# Allegro board RK_NVR_DEMO_RK3568_DDR4P216SD4_V12_20201221YWQ_final.brd (continued)
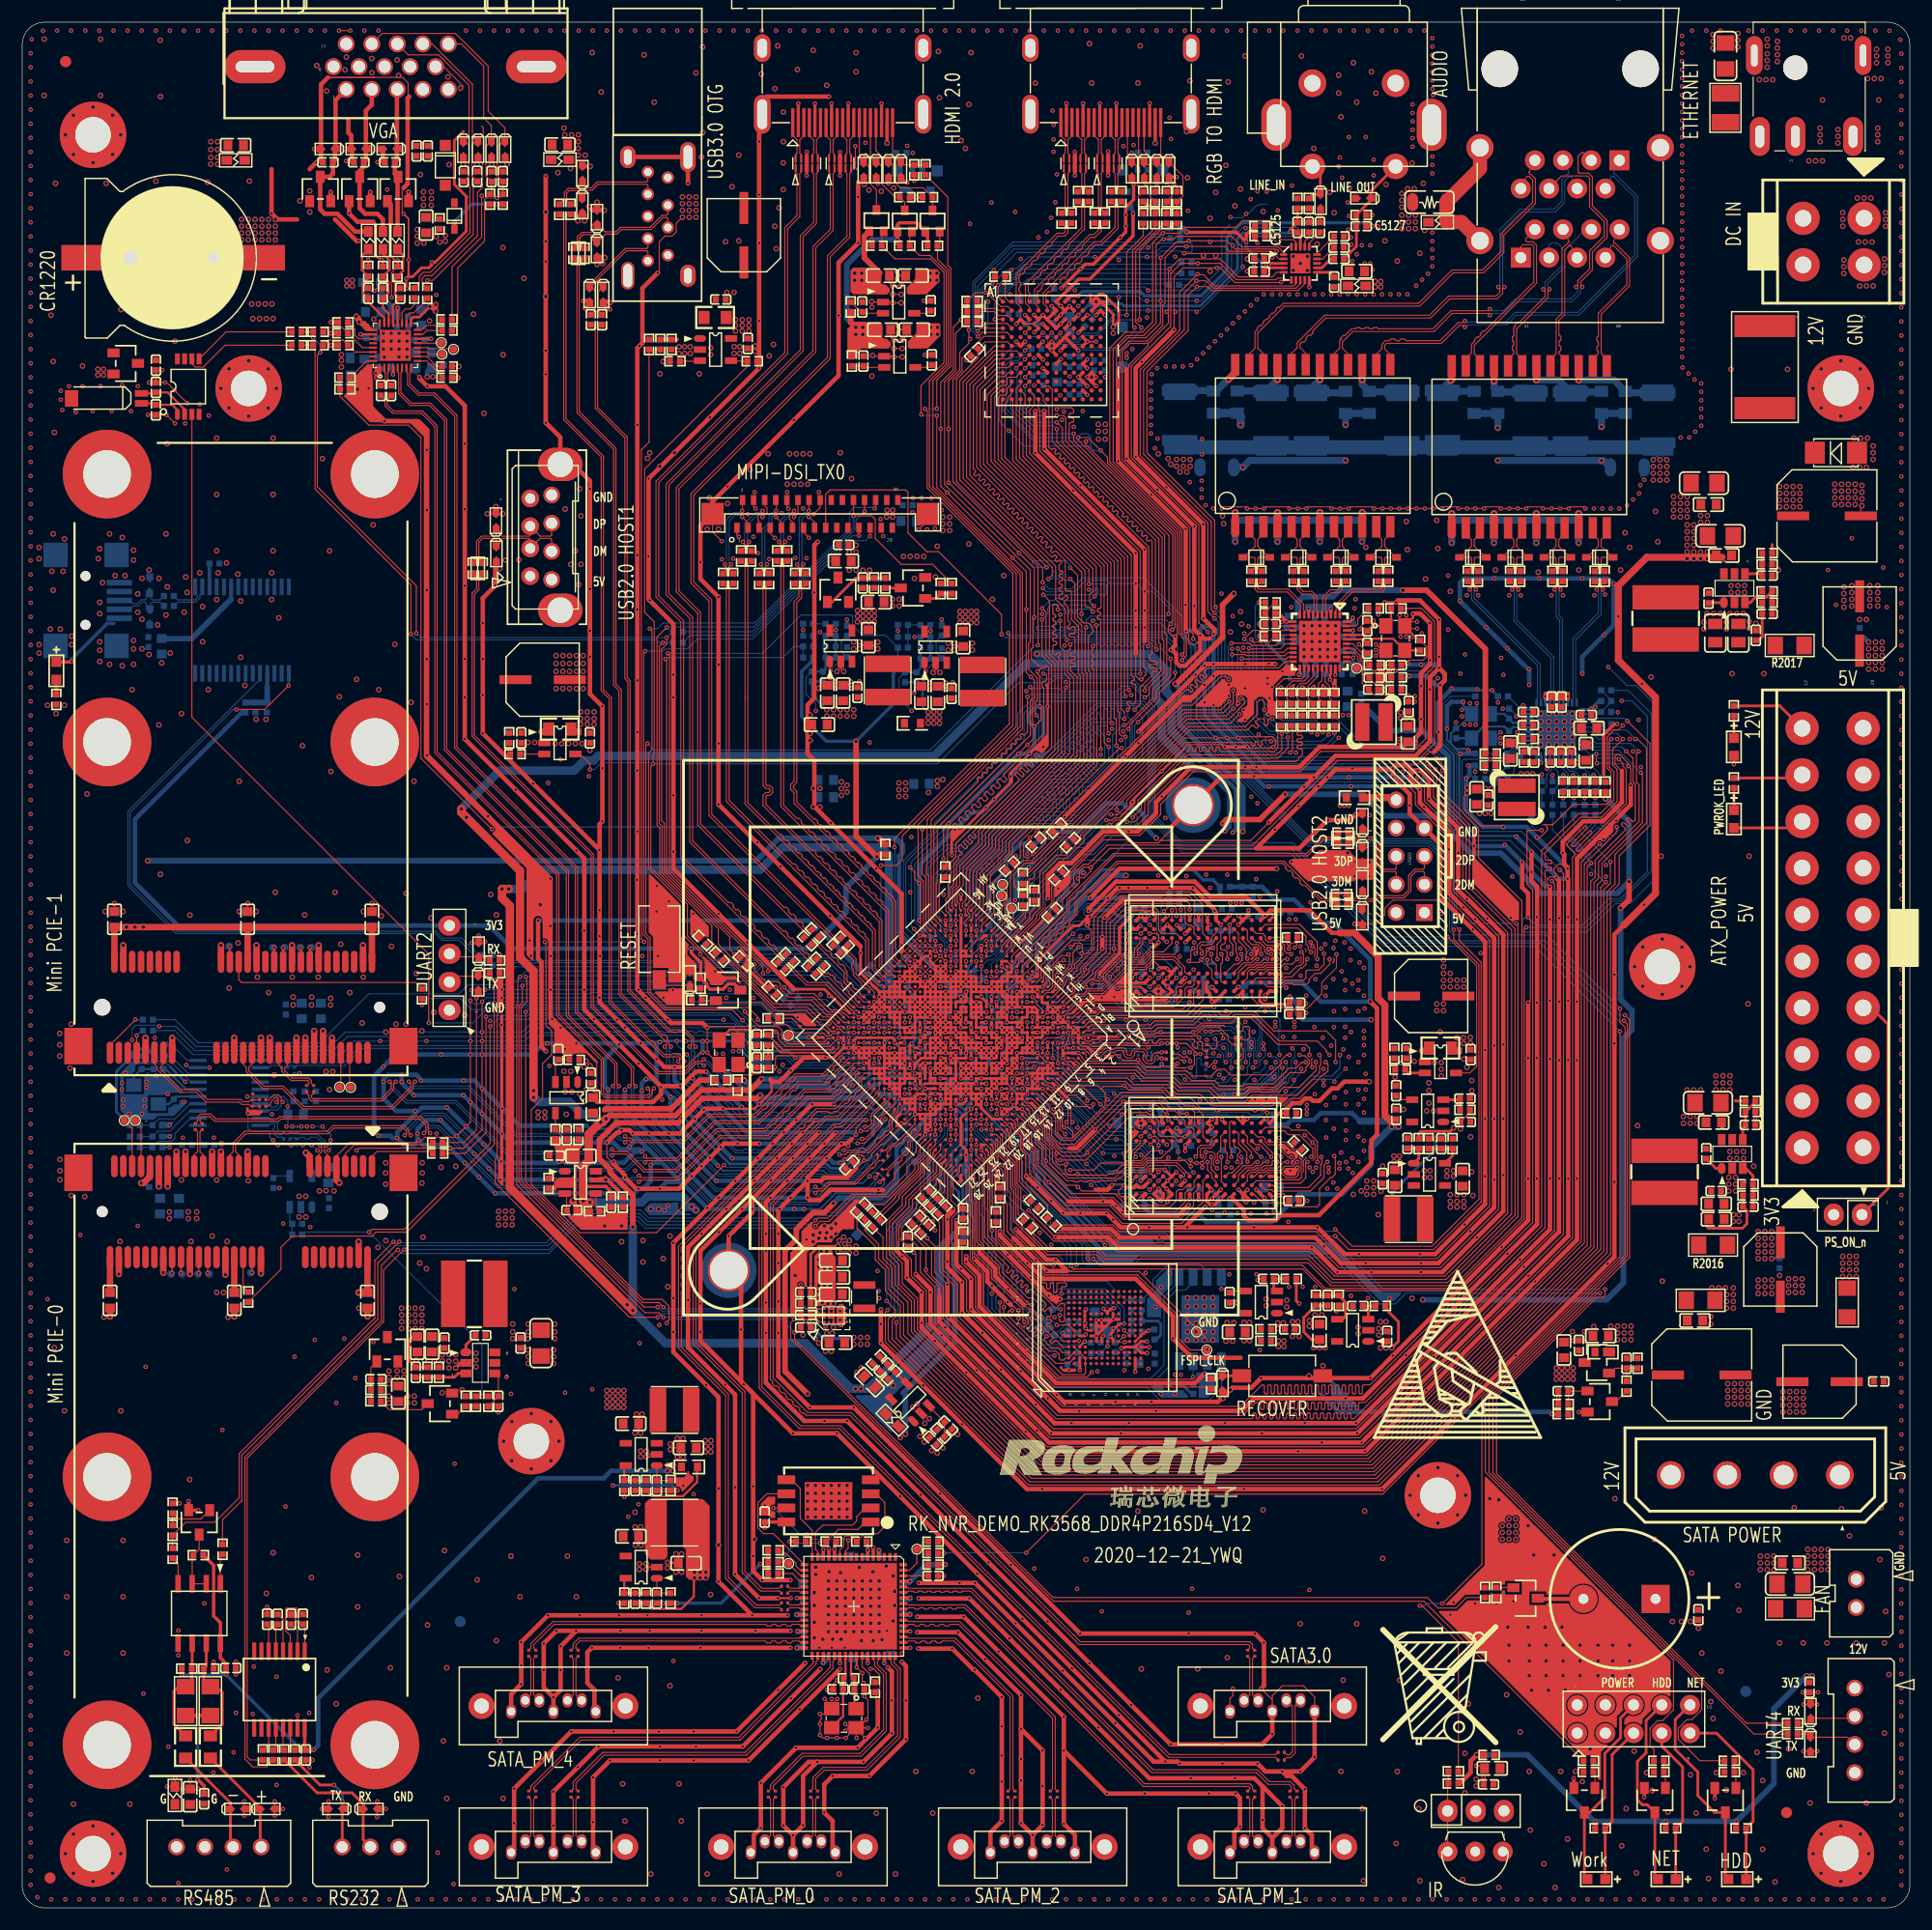
[diagram p0: board, top side]
## Routing (per net, layer and track width the routed paths; a pad name or vN(x,y) marks a point on that pad's centre or on a via; arc(x,y) is an arc through that point) (continued)
  TOP w0.102: v1(72.37,76.64) 72.2,76.81 68.02,76.81 67.87,76.66 67.87,75.84 v1(67.82,75.79) 67.82,75.51 67.61,75.31 66.62,75.31 66.5,75.18 v1(65.68,75.18) 65.58,75.08 63.45,75.08 62.8,75.73 Y1200.4 v1(61.72,77.09) v1(61.72,78.13) v1(61.72,79.35) 61.82,79.45 65.99,79.45 66.29,79.15 67.82,79.15 67.92,79.04 v1(67.92,78.94) 68.02,78.94 68.12,78.84 68.12,78.33 68.8,77.66 72.77,77.66 v1(73.55,78.44) ; U3301.E8 103.66,69.86 103.82,69.86 104.15,69.54 v1(104.79,69.54) ; v1(104.84,90.85) 104.84,90.82 105.18,90.48 v1(105.18,89.99) ; v1(107.34,114.81) 106.93,114.4 ; v1(22.75,8.31) 22.75,8.92 ; 22.75,8.92 v1(23.49,8.92) ; 22.75,8.92 v1(22.75,9.6) ; v2(79.3,140.56) v2(78.54,140.56) ; v2(78.54,140.56) v2(78.54,139.8) ; v2(78.54,140.56) v2(78.54,141.33) ; v1(74.17,15.95) 74.46,16.24 74.51,16.24 ; 91.94,73.84 92.64,73.13 v1(92.74,73.13) ; 86.68,68.78 86.87,68.78 87.27,68.38 87.27,68.02 87.27,67.87 87.63,67.52 87.63,66.65 v1(87.93,66.34) 87.63,66.04 87.63,63.6 88.16,63.07 88.16,61.18 88.08,61.11 88.08,60.96 v1(88.09,60.96) ; v1(61.32,77.11) 61.11,77.11 59.79,75.79 59.28,75.79 ; v1(25.91,12.65) 25.56,12.99 C9505.2 v1(26.16,13.33) ; 94.39,68.47 93.58,68.47 92.55,69.5 92.55,70.75 v1(92.39,70.91) ; v2(58.14,30.63) 58.57,31.06 58.7,31.06 ; v1(11.33,134.58) C2200.2 v1(12.99,134.58) v1(13.77,133.81) ; Y6800.2 122.52,113.35 ; 122.52,113.35 122.44,113.35 ; 122.52,113.35 v1(121.97,113.89) ; v1(98.19,65.14) 98.29,65.24 99.18,65.24 v1(99.28,65.14) 98.78,64.64 98.78,64.34 99.01,64.11 99.21,64.11 99.31,64.01 v1(99.42,64.01) 99.41,64.01 99.41,63.7 99.79,63.33 101.84,63.33 102.02,63.51 102.2,63.33 102.92,63.33 103.19,63.61 v1(103.19,63.64) ; D2507.2 v2(42.68,126.31) ; D2507.2 v2(41.91,125.67) ; D2507.2 v2(43.31,125.67) ; v1(41.44,81.69) v1(41.44,78.94) v1(41.44,78.13) v1(41.44,76.91) v1(41.44,73.86) v1(41.44,71.58) 41.44,70.14 39.78,68.48 v1(38.56,68.48) 30.33,68.48 v1(30.12,68.28) ; v1(105.29,66.84) 104.77,67.36 103.01,67.36 ; 58.82,41.47 58.49,41.81 v2(58.39,41.81) ; 58.82,41.47 58.57,41.47 v2(58.39,41.3) ; 58.82,41.47 59.25,41.47 ; 98.19,76.74 98.34,76.88 98.7,76.88 v1(98.81,76.77) 99.18,76.4 100.43,76.4 100.48,76.45 v1(100.53,76.45) 100.58,76.45 101.24,75.79 102.56,75.79 102.67,75.9 102.67,75.93 ; 72.94,18.19 72.94,18.32 ; 72.94,18.19 Y8300.2 72.47,17.48 v1(71.88,17.48) 72.01,17.35 72.01,17.01 71.88,16.89 v1(71.88,16.59) v1(71.88,15.57) 72.14,15.32 v1(72.52,15.32) v1(73.41,15.32) v1(74.21,15.32) Y8300.4 ; 72.94,18.19 v1(72.31,18.83) ; 72.94,18.32 v1(72.94,18.83) ; 72.94,18.32 v1(73.45,18.83) ; 105.3,67.38 v1(105.27,67.41) ; 95.2,92.86 95.25,92.91 95.25,93.41 95.64,93.8 96.27,93.8 v1(96.28,93.79) ; 95.2,92.86 95.7,92.86 96.28,93.44 v1(96.28,93.79) ; 95.2,92.86 v1(95.12,92.79) 95.25,92.66 95.25,92.41 93.73,90.88 93.73,89.88 90.64,86.79 ; 125.22,114.9 124.81,115.32 ; 125.22,114.9 125.88,114.25 R6804.2 126.54,113.67 126.54,112.78 126.24,112.47 124.94,112.47 124.84,112.37 v1(124.84,112.22) 124.66,112.22 124.42,111.97 124.26,111.97 ; 125.22,114.9 v1(125.22,114.58) ; 124.81,115.32 124.71,115.41 ; 124.81,115.32 v1(125.68,115.32) ; v1(103.78,142.25) 103.78,147.02 104.6,147.83 v1(107.65,147.83) 107.73,147.91 107.87,147.91 109.27,146.51 113.39,146.51 v1(113.44,146.56) ; U1000.A1 96.85,78.29 96.4,78.29 96.22,78.11 95.93,78.11 95.61,78.44 ; v1(104.86,115.07) 105.11,114.82 105.11,114.1 105.31,113.89 105.71,113.89 106.12,114.3 106.12,114.69 v1(106.14,114.71) ; 99.18,85.93 99.1,85.85 ; 99.1,85.85 99.6,85.85 99.8,85.66 100.8,85.66 101.78,86.64 102,86.64 ; 99.1,85.85 97.44,84.18 97.44,83.66 97.33,83.55 96.66,83.55 96.56,83.65 96.33,83.65 ; J5200.13 70.4,123.98 v1(70.88,123.5) ; v1(74.83,74.15) 74.79,74.15 73.1,72.47 v1(73.1,72.44) ; v1(27.58,8.19) 27.58,8.9 ED9503.2 ; v2(59.49,152.4) 58.93,151.84 58.93,151.08 58.55,150.7 57.91,150.7 57.4,150.19 57.4,147.52 v1(57.28,147.4) ; J5200.4 65.9,126.32 v1(66.09,126.13) ; 59.25,40.93 59.25,41.47 ; 59.25,40.93 59.25,40.86 v2(59.03,40.64) ; 59.25,40.93 v2(59.54,40.64) ; 59.25,41.47 59.25,42.02 ; v1(91.19,106.48) 91.19,105.46 v1(90.58,104.85) v1(89.76,104.04) v1(83.46,97.74) 83.01,97.29 v1(83.01,94.59) ; v1(91.19,106.48) 91.04,106.63 91.04,108.75 91.19,108.9 91.19,110.64 v1(90.88,110.95) 90.47,111.35 v1(90.47,117.04) 90.47,120.45 v1(89.23,121.69) v1(83.34,127.59) 82.76,128.17 v1(82.76,133.33) 82.76,137.5 83.89,138.63 83.89,142.47 v1(84.57,143.15) ; v1(91.19,106.48) 91.8,107.09 91.8,108.2 v1(91.69,108.31) 91.69,111.05 91.49,111.25 v1(91.49,111.46) 91.8,111.76 92.1,111.76 92.3,111.96 ; 101.79,81.77 101.89,81.87 101.94,81.87 102.04,81.77 ; 101.79,81.77 101.29,81.77 ; 101.79,81.77 102.04,81.77 ; v2(74.9,113.49) v2(75.44,113.49) 75.75,113.8 ; v1(133.45,97.43) 133.35,97.54 131.42,97.54 129.9,99.06 129.9,100.18 v2(130.2,100.48) ; v1(83.36,56.18) 82.25,57.3 82.25,59.64 v1(81.53,60.35) ; v2(82.07,111.35) 82.3,111.59 82.3,111.71 ; 80.47,76.07 80.47,76.08 79.95,76.6 ; v1(120.52,115.27) 120.52,115.39 121.14,116.01 C6800.2 v1(121.77,116.01) ; v1(161.72,18.34) ED9501.2 v1(160.51,18.34) ; v1(102.62,68.13) 102.62,68.13 102.51,68.24 101.68,68.24 100.79,67.35 99.43,67.35 99.28,67.49 v1(99.28,67.99) ; 99.09,83.42 98.69,83.42 97.98,82.71 97.98,82.08 98.29,81.77 99.24,81.77 ; v1(80.52,57.11) 80.52,58.88 v1(80.33,59.07) C6703.2 79.23,60.17 79.23,61.3 80.87,62.94 80.87,63.14 81.03,63.3 81.23,63.3 82.7,64.77 v1(82.7,65.43) ; v1(88.72,73.38) 89.18,73.84 ; 89.18,73.84 89.64,73.38 ; 89.18,73.84 88.72,74.3 ; 89.18,73.84 v1(89.64,74.3) ; C5123.2 v1(81.33,139.99) ; v1(90.48,65.94) 90.42,66 90.42,67.06 90.41,67.07 90.41,67.59 ; v1(97.32,87.53) 97.32,89.17 97.42,89.27 v1(97.54,89.27) ; v1(75.18,15.32) 75.14,15.36 75.14,16.12 ; v1(120.45,113.89) 121.19,113.15 C6801.2 ; v2(79.2,145.44) v2(78.44,145.44) ; v2(78.44,145.44) v2(78.44,146.2) ; v2(78.44,145.44) v2(78.44,144.68) ; v1(101.59,69.54) 102.12,69.54 102.39,69.26 v1(102.39,68.74) ; v2(78.54,139.8) v2(79.3,139.8) ; v2(78.54,139.8) 78.48,139.86 U5103.2 76.7,139.86 v2(76.63,139.93) ; 95.46,86.03 95.89,86.03 96.35,86.5 96.35,88.06 95.95,88.47 v1(95.95,88.57) ; 95.46,86.03 95.49,86 95.49,85.72 94.83,85.06 94.83,84.77 93.66,83.6 93.66,83.4 93.63,83.37 v1(93.63,83.35) ; 95.46,86.03 v1(95.46,86.04) 95.52,86.1 95.52,86.76 95.32,86.96 94.79,86.96 94.79,86.74 94.58,86.74 v1(94.48,86.64) ; v1(72.52,19.63) 72.58,19.7 C8320.2 73.06,20.18 v1(73.41,20.52) ; 82.3,111.71 U2102.2 ; 82.3,111.71 82.32,111.71 v2(82.68,111.35) ; 84.29,113.7 v2(83.97,113.39) v2(83.44,113.39) ; 84.29,113.7 C2109.2 85.31,113.7 ; 84.29,113.7 84.27,113.7 v2(83.97,114) v2(83.44,114) ; C2201.2 v1(11.43,137.5) ; C2201.2 v1(12.85,137.5) 13.02,137.5 v1(13.72,136.8) v1(14.88,135.64) ; C2201.2 v1(12.04,138.07) C2202.2 v1(12.62,138.61) ; v1(111.63,19.76) 112.64,18.76 ; 112.64,18.76 J8300.4 ; 112.64,18.76 112.64,19.11 113.54,20.02 115.44,20.02 116.45,19.01 J8300.1 ; 94.67,69.44 94.61,69.39 93.74,69.39 93.31,69.81 93.31,71.62 v1(92.94,71.99) ; 94.67,69.44 97.58,72.35 97.58,73.45 97.22,73.8 ; 94.67,69.44 94.67,69.95 94.28,70.34 93.82,70.34 93.72,70.44 93.72,72.06 92.74,73.04 ; v1(104.93,71.58) 104.43,71.58 103.95,72.05 103.48,72.05 102.8,72.74 99.29,72.74 99.23,72.69 v1(99.22,72.69) 99.19,72.66 99.19,72.66 v1(96.69,70.17) ; 20.01,8.92 ED9504.2 v1(20.7,8.92) ; 20.01,8.92 v1(20.01,9.6) ; 20.01,8.92 v1(20.01,8.31) ; R5008.2 v1(80.38,155.68) ; C9506.1 24.31,26.47 v1(24.75,26.02) ; Y8300.4 75.35,16.24 ; Y8300.4 75.14,16.12 ; Y8300.4 74.51,16.24 ; 75.35,16.24 v1(76.07,16.97) 76.2,17.09 76.2,18.75 v1(75.88,19.06) C8319.2 75.88,20.21 v1(75.82,20.27) 75.69,20.4 v1(75.69,21.16) v1(75.18,21.67) ; 75.35,16.24 75.91,16.24 75.95,16.21 v1(76.2,16.21) ; 99.99,70.34 100.09,70.34 100.39,70.04 U3301.A8 ; U1000.B26 85.04,66.95 85.34,66.64 85.34,63.75 85.62,63.48 85.62,58.67 v1(85.77,58.52) ; 74.51,16.24 v1(74.17,16.59) ; 103.17,143.87 103.28,143.97 103.28,147.62 v1(103.38,147.73) 104.29,148.64 107.95,148.64 109.58,147.02 112.62,147.02 113.04,147.43 U7000.5 ; 103.17,143.87 v1(103.12,143.87) ; 103.17,143.87 103.28,143.76 103.28,142.85 101.45,141.02 ; 77.57,64.72 78.59,65.74 78.59,66.24 80.54,68.2 80.54,68.88 81.36,69.7 v1(81.37,69.7) ; v1(83.85,110.46) 83.85,110.44 83.74,110.33 C2112.2 ; Y6800.4 124.71,115.41 ; Y6800.4 124.21,115.18 v1(124.21,114.58) ; Y6800.4 124.1,116.02 v1(124.1,116.51) ; 124.71,115.41 v1(124.71,114.58) ; v1(41.71,87.07) 41.62,86.99 D9101.2 ; v2(78.54,141.33) v2(79.3,141.33) 79.69,141.72 C5116.2 79.27,142.25 ; v2(78.54,141.33) 78.24,141.62 C5119.2 ; v1(36.5,146.71) 37.01,146.71 41.02,150.72 41.02,154.64 41.48,155.09 41.48,157.28 41.54,157.34 41.54,160.46 41.38,160.63 ; v1(97.69,98.04) 98.2,98.04 98.4,98.25 98.91,98.25 100.25,99.59 100.25,100.09 102.62,102.46 v1(102.67,102.46) 102.67,102.51 105,104.85 108.15,104.85 v1(108.36,104.65) v1(109.37,104.65) v1(110.39,104.65) 110.49,104.55 112.62,104.55 v1(112.73,104.65) 112.93,104.85 112.93,105.25 112.61,105.56 109.68,105.56 v1(109.58,105.46) v1(108.56,105.46) v1(107.54,105.46) 104.8,105.46 98.6,99.26 98.6,99.01 v1(98.63,98.98) ; C2011.2 v1(156.16,71.2) 156.16,71.62 ; v1(34.37,152.7) 34.24,152.83 34.24,154.91 34.37,155.04 ; v1(71.31,125.63) 71.9,126.22 J5200.16 ; 102.67,75.93 v1(102.67,76.05) ; 102.67,75.93 102.75,75.84 103.51,75.84 v1(103.68,76.02) 103.86,75.84 103.86,75.82 103.94,75.74 v1(105.28,75.74) 105.33,75.74 105.61,76.02 105.61,76.88 v1(105.7,76.97) 105.64,77.04 105.64,77.2 104.91,77.93 v1(103.99,77.93) v1(103.58,77.93) v1(103.17,77.93) v1(102.67,77.93) 102.46,77.72 101.65,77.72 v1(101.47,77.55) 101.3,77.72 99.52,77.72 99.48,77.76 97.57,77.76 97.23,77.42 97.11,77.42 ; v2(55.35,44.5) 55.54,44.31 55.54,44.19 ; v1(131.01,12.8) 131.29,12.8 131.76,12.34 131.76,12.32 ; U1000.A18 89.09,70.71 88.64,70.71 88.26,71.1 U1000.C18 ; v1(141.88,103.18) 141.83,103.23 v1(141.83,103.99) ; 74.73,69.29 v1(75.13,69.7) 75.13,70.31 75.84,71.02 v1(76.05,71.02) ; 55.54,32.96 55.54,32.9 v2(55.77,32.68) ; 55.54,32.96 C8346.2 55.54,34.02 ; 55.54,32.96 v2(55.26,32.68) ; v1(93.18,68.04) 93.18,67.84 93.14,67.8 93.14,67.26 93.42,66.99 94.02,66.99 v1(94.07,67.04) 94.07,66.94 93.98,66.85 93.98,66.34 94.27,66.05 94.56,66.05 97.78,66.05 97.87,66.14 98.28,66.14 v1(98.48,66.34) 99.09,66.94 100.96,66.94 101.38,67.36 103.01,67.36 ; v1(93.18,68.04) 93.18,68.29 92.14,69.34 92.14,70.38 91.77,70.75 91.77,71.71 91.51,71.97 ; v1(93.18,68.04) 93.4,68.04 93.68,67.76 95.64,67.76 v1(95.95,68.07) 95.95,68.2 97.99,70.24 97.99,70.48 v1(97.98,70.48) 98.01,70.51 98.03,70.51 98.06,70.54 98.18,70.54 99.08,71.44 v1(99.08,71.51) 99.16,71.51 99.98,72.34 102.24,72.34 103.05,71.52 103.12,71.52 v1(103.12,71.52) ; C2111.2 82.88,110.11 ; 82.88,110.11 82.93,110.11 v1(83.21,109.83) ; 82.88,110.11 v1(83.21,110.44) ; v1(92.4,80.73) v1(91.94,80.27) ; v1(103.99,89.42) 103.99,90.03 103.74,90.29 103.33,90.29 v1(102.88,89.84) ; 96.72,64.74 96.61,64.62 95.48,64.62 v1(95.12,64.97) 94.96,65.14 94.08,65.14 92.23,66.98 v1(92.23,67.34) 92.23,68.32 91.49,69.07 91.49,70.11 90.85,70.74 90.85,71.07 90.44,71.49 90.44,71.67 90.1,72 ; v2(55.73,42.8) 55.54,42.99 55.54,43.12 ; 97.22,73.8 97.46,74.04 98.75,74.04 98.78,74.07 99.25,74.07 v1(99.3,74.12) 99.71,73.71 103.02,73.71 103.26,73.46 103.36,73.46 v1(103.54,73.29) 103.79,73.29 103.98,73.1 105.16,73.1 106.32,71.94 107.59,71.94 v1(107.65,71.88) ; 97.22,73.8 96.89,74.14 94.39,74.14 ; v1(108.08,126.14) 108.24,126.29 110.22,126.29 v1(110.37,126.14) v1(111.13,126.14) v1(111.89,126.14) 112.05,126.29 114.03,126.29 v1(114.18,126.14) v1(114.94,126.14) v1(115.7,126.14) 115.86,126.29 117.84,126.29 v1(117.99,126.14) v1(118.75,126.14) v1(119.51,126.14) 119.67,126.29 121.65,126.29 v1(121.8,126.14) v1(122.56,126.14) v1(123.32,126.14) v1(124.09,126.14) v1(124.85,126.14) v1(125.61,126.14) v1(126.37,126.14) v1(127.13,126.14) v1(127.9,126.14) 128.05,126.29 129.27,126.29 v1(129.42,126.14) v1(130.18,126.14) v1(130.94,126.14) v1(131.71,126.14) 131.86,126.29 133.08,126.29 v1(133.23,126.14) v1(133.99,126.14) v1(134.75,126.14) v1(135.52,126.14) 135.67,126.29 136.89,126.29 v1(137.04,126.14) v1(137.8,126.14) v1(138.56,126.14) v1(139.33,126.14) 139.48,126.29 140.7,126.29 v1(140.85,126.14) ; 92.3,111.96 91.57,111.96 90.93,112.6 90.93,113.49 91.06,113.61 91.06,116.21 v1(91.18,116.33) 91.18,120.76 v1(89.81,122.12) v1(83.46,128.47) v1(83.46,133.3) 83.46,137.63 84.48,138.65 84.48,140.21 85.3,141.03 v1(85.3,142.24) ; 92.3,111.96 92.51,111.76 92.51,110.34 92.4,110.23 v1(92.4,108.31) 92.4,105.76 90.78,104.15 v1(90.78,104.04) 89.05,102.31 v1(89.05,102.01) 89.05,101.4 v1(87.58,99.92) v1(86.82,99.16) 83.77,96.11 v1(83.77,94.89) ; 99.34,82.08 99.34,81.87 99.24,81.77 ; 99.34,82.08 99.34,82.12 ; 99.34,82.08 99.65,81.77 ; v1(104.7,149.15) 104.8,149.05 104.88,149.12 112.34,149.12 112.62,148.84 v1(112.62,148.76) ; v1(90.04,70.62) 90.19,70.47 90.19,70.33 90.72,69.8 90.72,68.75 91.32,68.15 91.32,66.61 v1(92.53,65.4) 94.26,63.67 ; 75.14,16.12 v1(75.95,15.32) ; Q7000.2 v1(134.36,27.63) ; v1(78.92,141.96) 79.2,142.25 79.27,142.25 ; 124.26,110.89 v1(124.26,110.36) 124.26,109.82 ; v2(55.6,30.51) v2(56.24,30.51) 56.44,30.71 56.54,30.71 ; J5200.7 67.4,123.9 v1(67.82,123.49) ; v1(74.12,67.46) 74.22,67.46 74.63,67.87 75.64,67.87 75.84,67.67 v1(75.84,67.36) ; 94.59,82.84 94.65,82.89 94.65,83.2 95.69,84.23 95.69,84.51 95.74,84.56 v1(95.74,84.58) 95.74,84.78 97.32,86.36 v1(97.32,86.47) ; C1400.2 74.21,66.66 v1(73.71,67.16) ; 114.9,87.04 R3315.2 ; 103.22,82.13 103.22,81.96 103.03,81.77 102.04,81.77 ; 96.33,83.65 96.18,83.65 95.84,83.31 v1(95.84,82.99) 95.89,82.94 ; 96.33,83.65 96.69,84.01 96.69,84.3 98.38,85.99 v1(98.38,86.47) 98.38,88.61 v1(99.58,89.81) ; 137.01,97.64 137.21,97.64 ; 137.21,97.64 137.41,97.43 137.41,97.14 136.77,96.5 v1(136.48,96.5) ; 137.21,97.64 137.91,97.64 139.74,99.47 142.74,99.47 143.14,99.87 143.14,102.39 142.8,102.74 142.8,105.54 143.43,106.17 143.81,106.17 v1(144.22,106.58) ; v1(135.69,89.31) 135.89,89.1 135.89,81.79 v1(135.69,81.58) ; 122.44,113.35 v1(121.97,112.88) ; 122.44,113.35 122.01,113.35 v1(121.97,113.39) ; v1(96.28,93.79) 97.99,95.5 111.2,95.5 ; v1(74.68,110.54) 74.35,110.21 ; 74.35,110.21 C2115.2 ; 74.35,110.21 74.4,110.21 v1(74.68,109.93) ; 127.2,104.19 126.8,104.19 125.63,103.02 124.92,103.02 124.82,102.92 ; v1(19.25,22.17) C9501.2 v1(19.25,21.03) ; R8314.2 v1(53.72,27.46) ; 55.54,44.19 C8328.2 55.54,43.12 ; 55.54,44.19 v2(55.85,44.5) ; 51.77,74.45 51.66,74.34 C2203.2 ; 51.77,74.45 51.77,73.38 C2205.2 ; 51.77,74.45 51.77,76.2 50.55,77.42 50.44,77.42 ; v1(73.25,109.93) 72.97,110.21 72.92,110.21 ; 74.57,80.64 75.03,80.64 v1(75.39,80.27) ; v1(88.09,54.57) 88.09,53.18 93.42,47.85 95.96,47.85 96.36,48.25 v1(96.36,48.28) ; 56.54,30.71 v2(56.24,31.01) v2(55.6,31.01) ; 56.54,30.71 U8303.2 ; ED9503.2 v1(27,8.92) ; ED9503.2 v1(27.6,9.6) ; 90.26,54.35 90.77,53.84 90.87,53.84 ; v1(101.59,87.82) 102.26,87.82 102.39,87.69 v1(102.39,87.02) ; 73.77,111.81 73.77,111.71 v2(74.02,111.46) ; 73.77,111.81 U2103.2 ; 73.77,111.81 v2(73.41,111.46) ; C7001.2 v1(115.93,152.5) ; v1(76.45,21.54) 76.71,21.54 77.26,20.98 77.26,19.87 R8303.2 76.83,19.25 77.09,19 v1(77.09,18.87) ; 59.25,42.02 59.25,42.1 v2(59.03,42.32) ; 59.25,42.02 v2(59.54,42.32) ; 96.26,72.06 96.28,72.04 96.48,72.23 96.48,72.41 v1(96.5,72.43) ; 96.26,72.06 96.16,72.06 94.99,73.23 94.29,73.23 94.11,73.05 94.39,72.76 94.39,72.73 94.89,72.24 96.08,72.24 96.26,72.06 ; v2(165.76,126.39) 165.66,126.29 C2000.2 ; C9503.2 15.84,10.71 v1(15.88,10.74) ; C9503.2 v1(14.43,10.71) ; C9503.2 v1(15.13,11.51) ; 85.31,113.7 85.33,113.7 v2(85.62,114) ; 85.31,113.7 v2(85.62,113.39) ; 55.54,43.12 v2(55.22,42.8) ; 138.94,94.08 138.43,94.08 138.02,93.68 138.02,93.37 138.23,93.17 v1(138.23,92.86) 138.17,92.92 137.62,92.92 137.41,92.72 137.41,92.29 v1(137.66,92.05) ; 101.45,141.02 101.45,140.82 99.72,139.09 99.72,138.89 99.52,138.68 99.11,139.09 99.11,140.31 99.82,141.02 101.45,141.02 ; C8310.2 v1(83.06,29.92) ; v2(71.75,109.93) 71.88,109.93 72.16,110.21 C2151.2 72.92,110.21 ; 39.75,164.19 37.97,165.97 37.27,165.97 ; J5200.32 81.6,125.07 v1(80.78,124.25) ; v1(91.94,83.03) 91.94,83.03 92.25,83.34 92.25,83.83 92.24,83.84 92.24,84.43 93.65,85.84 94.18,85.84 v1(94.28,85.94) 94.37,85.85 94.37,84.92 93.71,84.26 93.47,84.26 v1(93.4,84.34) 93.29,84.34 93.07,84.12 93.07,82.94 v1(93.15,82.86) ; v1(82.74,66.95) 82.65,66.85 82.65,66.25 80.51,64.11 80.51,64.1 80.21,63.8 80.21,63.09 78.79,61.67 78.79,59.23 ; 79.27,142.25 v1(78.92,142.6) ; 101.14,81.77 101.29,81.77 ; 101.14,81.77 101.29,81.92 101.29,81.77 ; 101.14,81.77 99.65,81.77 ; 107.8,71.88 v1(111.07,71.88) 111.15,71.88 111.97,71.88 v1(112.19,71.66) ; v1(75.84,67.36) 76.15,67.36 76.56,67.77 76.56,67.97 77.37,68.78 77.57,68.78 79.16,70.37 ; v1(75.84,67.36) 75.13,66.65 ; v2(55.22,34.34) 55.54,34.02 ; 55.54,34.02 55.54,34.15 v2(55.73,34.34) ; v1(69.85,80.26) 70.04,80.26 C1200.2 ; J5200.10 68.9,126.27 v1(69.03,126.13) ; C1011.2 80.66,110.12 80.39,109.85 v1(80.39,109.55) ; v2(58.9,30.25) 59.12,30.47 59.12,30.54 ; v1(105.19,81.63) 104.54,80.99 96.95,80.99 96.72,80.75 96.68,80.75 ; v1(88.34,66.95) 88.34,66.85 88.58,66.61 88.58,63.55 88.75,63.38 88.75,60.96 89.31,60.4 ; v2(77.09,113.49) 76.78,113.8 ; 76.78,113.8 C2113.2 75.75,113.8 ; 76.78,113.8 76.79,113.8 v2(77.09,114.1) ; 79.16,147.12 C5110.2 79.59,146.6 v2(79.2,146.2) v2(78.44,146.2) ; 79.16,147.12 79.1,147.12 v1(78.82,146.84) ; 79.16,147.12 v1(78.82,147.47) ; R8311.2 v1(54.25,37.03) ; v1(161.8,19.43) C9500.2 v1(160.43,19.43) ; C5903.2 31.45,145.73 31.7,145.73 v1(31.73,145.76) 31.96,146 C5905.2 ; 75.75,113.8 75.73,113.8 v2(75.44,114.1) v2(74.9,114.1) ; R7005.2 v1(132.83,27.44) ; C2116.2 75.26,110.43 75.39,110.57 v1(75.44,110.57) ; v1(81.53,62.18) 80.42,61.06 80.42,60.45 81.43,59.44 v1(81.43,57.51) 81.43,57.2 82.65,55.98 82.65,55.17 ; v2(78.44,146.2) 78.14,146.5 C5109.2 ; 144.93,101.09 v1(144.93,101.19) 144.93,102.71 v1(144.72,102.92) 144.73,102.93 144.73,103.16 143.95,103.94 143.61,103.94 143.51,103.84 143.51,103.11 144.14,102.48 ; v1(31.98,8.18) 31.98,8.9 ED9502.2 ; 110.95,150.37 111,150.37 111.28,150.09 v1(111.3,150.09) ; 85.8,65.24 85.8,63.91 86.03,63.68 86.03,60.02 86.26,59.79 v1(86.26,59.64) ; C8532.2 v2(31.51,90.53) ; 124.71,115.69 v1(124.71,116.51) ; 102.55,96.22 102.34,96 99.99,96 v1(99.72,96.27) 97.42,96.27 92.97,91.82 92.97,90.47 91.95,89.46 91.95,88.98 90.2,87.23 ; 102.55,96.22 103.59,97.26 v1(103.59,97.5) ; 102.55,96.22 110.69,96.22 v1(112.32,97.84) ; v1(95.15,77.06) 95.48,76.73 95.48,76.64 95.79,76.33 97.27,76.33 v1(97.68,76.74) ; v1(48.52,68.79) R2204.2 ; v1(90.68,62.87) 93.1,60.45 v1(93.11,60.45) ; v1(83.2,85.33) v1(82.74,85.79) v1(82.28,86.25) ; 95.49,77.64 95.15,77.97 ; U5900.24 32.22,142.24 U5900.33 ; C8348.2 58.7,31.06 ; C8348.2 59.12,31.61 ; C8348.2 59.12,30.54 ; 58.7,31.06 58.57,31.19 58.19,31.19 v2(58.14,31.14) ; v1(40.39,81.79) v1(40.39,78.94) v1(40.39,78.13) v1(40.39,76.91) 40.39,70.82 v1(40,70.43) 39.04,69.47 36.3,69.47 36.02,69.19 v1(35.71,69.19) 35.51,68.99 29.51,68.99 28.31,67.78 J8500.9 ; D9101.2 v1(40.5,86.99) ; D9101.2 v1(41.13,87.65) ; v1(13.06,10.93) FB9500.2 v1(13.76,11.68) ; 90.87,53.84 v1(90.97,53.84) ; 90.87,53.84 90.42,53.38 90.42,53.18 90.62,52.98 90.62,52.69 90.29,52.35 90.15,52.35 89.76,52.74 v1(89.76,53.14) v1(89.76,53.85) 89.66,53.95 89.59,53.95 89.21,54.34 89.07,54.34 ; v2(55.73,41.17) v2(56.24,41.17) 56.54,40.87 U8302.2 56.97,40.67 v2(56.24,40.67) v2(55.73,40.67) ; v1(109.09,19.76) 109.09,19.13 108.83,18.86 J8300.7 ; 106.62,51.4 100.68,57.35 94.19,57.35 94.13,57.41 ; 100.41,71.45 101.25,71.45 101.6,71.1 v1(101.6,71) ; 102.58,84.74 102.05,85.27 101.91,85.27 101.23,84.59 100.21,84.59 99.95,84.34 v1(99.88,84.34) ; v1(93.93,98.35) 93.77,98.19 93.47,98.19 92.15,96.87 92.15,96.49 92.2,96.44 92.2,95.96 91.29,95.05 v1(91.08,95.05) 91.08,95.01 90.72,94.65 90.42,94.65 90.22,94.85 90.22,95.88 v1(90.8,96.47) v1(91.44,97.1) 98.88,104.55 v1(99.06,104.55) ; C9508.1 v1(22.06,27.13) ; 103.01,67.36 v1(103.28,67.64) ; v1(104.04,86.97) 104.04,86.19 103.79,85.95 101.66,85.95 100.96,85.24 99.39,85.24 99.28,85.13 99.28,85.1 99.17,85.1 v1(98.75,84.68) 98.75,84.67 v1(97.99,83.91) 97.99,83.64 97.21,82.86 95.97,82.86 95.89,82.94 ; 95.89,82.94 95.89,82.64 95.62,82.36 95.19,82.36 ; 94.1,76.26 93.77,76.59 ; 101.14,114.2 101.14,114.1 101.04,114 101.04,111.86 101.24,111.66 101.24,111.15 v1(100.84,110.74) 100.63,110.74 100.33,111.05 100.33,113.08 ; v1(64.56,123.59) 64.4,123.76 J5200.1 ; 59.12,31.61 59.12,31.69 v2(58.9,31.9) ; 59.12,31.61 v2(59.41,31.9) ; 88.26,72 87.8,72.46 v1(88.26,72.92) ; R6822.2 v1(122.2,116.59) ; R5909.2 33.82,147.95 33.28,147.41 33.28,145.18 v1(33.3,145.16) ; R5118.2 104.05,155.17 v1(103.8,155.42) ; 72.92,110.21 v1(73.25,110.54) ; v1(99.58,66.04) 99.68,66.14 99.71,66.14 99.87,66.29 101.23,66.29 101.58,66.64 102.09,66.64 ; 99.65,81.77 99.24,81.77 ; ED9502.2 v1(32.77,8.92) ; ED9502.2 v1(32,9.6) ; v1(80.01,93.78) 80.42,93.37 80.42,92.76 v1(80.82,92.35) 80.92,92.25 80.92,89.1 v1(80.82,89) 80.92,88.9 80.92,88.27 ; C6806.2 v1(122.76,109.82) ; C8524.2 v2(8.31,90.53) ; v1(59.54,84.42) 59.56,84.42 59.59,84.4 D1201.2 ; R5907.2 v2(30.2,136.88) ; 102.09,66.64 v1(102.39,66.34) ; 102.09,66.64 102.84,66.64 v1(102.94,66.54) ; v2(78.44,144.68) v2(79.2,144.68) ; v2(78.44,144.68) 78.37,144.74 U5101.2 76.6,144.74 v2(76.53,144.81) ; U1201.1 62.5,84.36 v1(62.43,84.43) ; C5115.2 v1(81.23,144.86) ; R5916.2 v2(39.35,138.95) ; v1(52.68,68.99) 52.68,67.67 53.09,67.26 v1(53.29,67.26) ; v1(113.03,149.35) 112.85,149.53 109.3,149.53 108.56,150.27 v1(105.11,150.27) 105,150.16 103.99,150.16 v1(102.57,148.74) v1(102.57,144.86) 102.57,142.86 101.24,141.53 99.61,141.53 98.6,140.52 98.6,138.62 98.74,138.48 ; C8531.2 v2(20.31,90.53) ; v1(28.55,169.21) v1(29.56,169.21) ; v1(85.09,139.5) C5100.2 ; C7002.2 v1(116.94,152.5) ; 88.24,59.44 88.24,59.64 87.38,60.5 v1(87.38,61.06) 87.2,61.24 87.2,67.21 86.78,67.63 86.78,67.94 86.42,68.3 v1(86.42,68.32) ; v1(97.46,79.97) 97.47,79.97 97.73,80.22 105.3,80.22 105.74,80.67 106.25,81.17 v1(107.41,81.17) ; 113.13,73.86 113.03,73.76 110.49,73.76 110.39,73.66 ; 80.6,87.94 80.36,88.18 v1(80.36,88.23) ; v1(106.81,86.36) 106.81,86.33 106.69,86.22 106.69,85.89 106.29,85.48 v1(106.23,85.48) 106.23,85.43 106.03,85.23 105.22,85.23 v1(105.11,85.34) 105.3,85.54 105.3,86.27 v1(105.52,86.5) ; U9501.15 v1(24.81,17.35) ; v1(75.07,158.8) 75.07,156.87 75.32,156.62 75.32,155.59 ; v2(59.41,30.25) 59.12,30.54 ; v1(97.28,82.02) 96.99,82.02 96.81,82.21 96.38,82.21 95.89,81.71 95.68,81.71 95.34,81.38 ; 124.95,115.93 v1(125.68,115.93) ; R9508.2 v1(17.26,22.17) ; v1(160.48,14.12) ED9500.2 v1(161.74,14.12) ; 90.88,72.54 90.48,72.54 90.11,72.92 ; 125.43,90.83 127.47,90.83 v1(127.76,91.13) ; C8518.2 v1(42.91,44.66) ; J5200.31 62.2,124.02 v1(63.03,123.19) ; C9001.2 v1(131.67,11.76) ; C8341.2 v1(57.78,37.62) ; 34.88,163.27 34.77,163.37 34.77,164.49 34.27,165 31.73,165 ; 103.48,115.84 103.67,116.03 103.67,123.78 95.15,132.3 v1(95.15,132.53) 96.02,132.53 v1(97.18,131.37) 97.79,130.76 97.79,130.25 104.07,123.97 104.07,114.79 v1(103.89,114.6) 103.74,114.6 103.28,115.07 103.28,115.52 v1(103.48,115.72) 103.48,115.84
  TOP w0.114: U1000.D2 95.61,79.35 96.15,79.89 ; v1(93.77,80.27) 93.78,80.27 94.14,80.64 94.6,80.64 U1000.F1 ; v1(93.77,77.52) 93.78,77.52 94.19,77.93 v1(94.23,77.98) ; v1(91.02,83.95) v1(90.56,83.49) ; 92.4,76.14 91.48,77.06 v1(91.48,77.06) ; 94.2,81.62 v1(93.77,81.19)
  TOP w0.127: v1(78.61,77.98) 79.07,77.52 79.07,77.5 ; 78.18,81.2 78.18,81.23 78.58,81.63 78.61,81.63 ; v1(88.26,84.87) 88.79,84.34 ; v1(87.8,72.46) 87.8,72.46 ; 78.61,81.63 78.61,81.65 79.06,82.11 ; 78.61,81.63 78.63,81.63 ; 93.77,76.59 v1(93.77,76.6) ; 88.72,85.33 89.15,84.9 89.15,84.87 ; 94.1,76.26 94.57,76.26 U1000.A6 ; U1000.A18 89.26,70.54 89.26,70.27 89.49,70.03 89.49,69.87 v1(89.51,69.85) 89.52,69.84 89.69,69.84 89.98,69.55 89.98,68.35 90.41,67.91 90.41,67.59 ; 88.26,72 v1(88.26,72) ; v1(94.23,77.98) 94.23,78.43 94.31,78.51 ; v1(90.56,83.49) 90.56,83.54 90.6,83.54 ; 94.09,74.44 94.39,74.14 ; v1(88.72,82.57) 89.64,83.49 89.64,83.54 ; 78.63,81.63 78.15,82.11 ; 78.63,81.63 v1(79.53,80.73) ; 79.5,81.66 79.5,81.64 78.61,80.74 78.61,80.73
  TOP w0.152: 94.2,81.62 94.95,82.36 95.19,82.36 ; v1(99.28,67.99) 99.38,67.99 99.7,68.31 99.7,68.74 99.59,68.85 ; v1(34.37,152.7) 34.81,152.26 v1(34.81,148.57) ; 27.56,165 31.73,165 ; 72.5,55.42 73.1,54.82 U2104.C4 ; v1(99.94,88.43) 99.89,88.38 99.89,88.22 99.51,87.85 v1(99.51,87.25) 99.51,87.1 99.52,87.1 99.52,86.88 99.47,86.84 99.47,86.23 99.18,85.94 99.18,85.93 ; 96.15,79.89 97.33,79.89 97.36,79.86 v1(97.46,79.97) ; U1000.A3 95.95,77.64 95.49,77.64 ; 91.16,142.79 U5100.C5 ; 91.16,142.79 90.28,142.79 90.23,142.84 ; 91.16,142.79 U5100.D5 ; U2104.C2 U2104.B2 U2104.B3 ; U2104.C2 U2104.C1 ; U2104.C2 U2104.C3 ; 91.94,73.84 v1(91.94,73.84) ; 33.2,151.84 33.2,148.89 33.61,148.49 v1(33.82,148.49) ; U2104.C4 U2104.C3 ; U2104.C4 U2104.B4 U2104.B3 ; U2104.C3 U2104.B3 ; v1(32.39,148.54) 32.24,148.69 32.09,148.69 31.78,148.99 31.78,151.84 31.63,151.99 ; v1(92.74,73.13) 92.74,73.04 ; v1(90.1,72) 90.1,72
  TOP w0.178: v1(101.81,89.8) 101.76,89.86 101.3,89.86 101.21,89.76 101.16,89.76 101,89.92 99.69,89.92 v1(99.58,89.81)
  TOP w0.203: v1(34.64,146) 34.61,146.02 v1(34.61,146.86) ; v1(75.18,21.67) 75.18,21.79 75.18,21.8 U8300.41 ; R6833.2 v1(114.39,110.02) ; v1(107.3,86.53) 107.29,86.52 107,86.52 106.83,86.36 v1(106.81,86.36) ; v1(95.82,52.22) 95.99,52.05 U4000.E7 ; v1(26.52,157.35) C5904.2 ; R6830.2 115.35,109.99 ; v1(32.01,157.35) C5912.2 ; v1(68.07,27.91) v1(69.24,27.91) ; v1(95.73,51.05) 95.29,50.61 U4000.C4 ; v1(26.29,158.55) D5900.2 ; U2104.B4 72.7,54.36 v2(72.59,54.46) ; v2(73.1,52.32) 73.1,52.33 U2104.C1 ; D5901.2 v1(29.08,158.55) ; R6827.2 v1(117.28,110.02) ; v1(31.89,158.55) D5903.2 ; Y6800.4 125.32,116.3 v1(125.32,116.64) ; U4000.A6 93.99,51.55 v1(93.73,51.82) ; v1(31.18,148.54) R5905.2 ; v1(34.81,148.57) 34.81,147.06 34.79,147.03 ; C8359.2 v1(57.75,27.46) ; R5909.2 v1(33.82,148.49) ; v1(98.79,78.64) 98.68,78.52 97.08,78.52 U1000.A1 ; v1(63.14,72.03) 65.99,72.03 v1(66.4,72.44) 67.51,73.56 67.51,74.35 67.41,74.45 67.41,74.68 ; v1(71.53,71.02) 70.41,69.9 v1(70.36,69.9) ; v1(32.39,148.54) 32.5,148.43 R5908.2 ; R6825.2 v1(118.25,110.1) ; U4000.P4 v1(101.55,50.55) ; C5906.2 29.32,157.35 v1(29.19,157.48) ; R6828.2 116.32,110 ; U4000.N5 U4000.P6 100.99,51.76 101.08,51.76 101.35,52.02 v1(101.47,52.02) ; v1(123.8,117.69) v1(122.75,117.69) R6822.2 ; v1(99.28,52.65) 98.89,52.65 U4000.K8 98.75,52.55 98.56,52.36
  TOP w0.25: v1(75.39,77.52) U1000.AC25